# Altium PCB ALCT_MEZ_SPARTAN6T.PcbDoc (part 2 of 12) (continued)
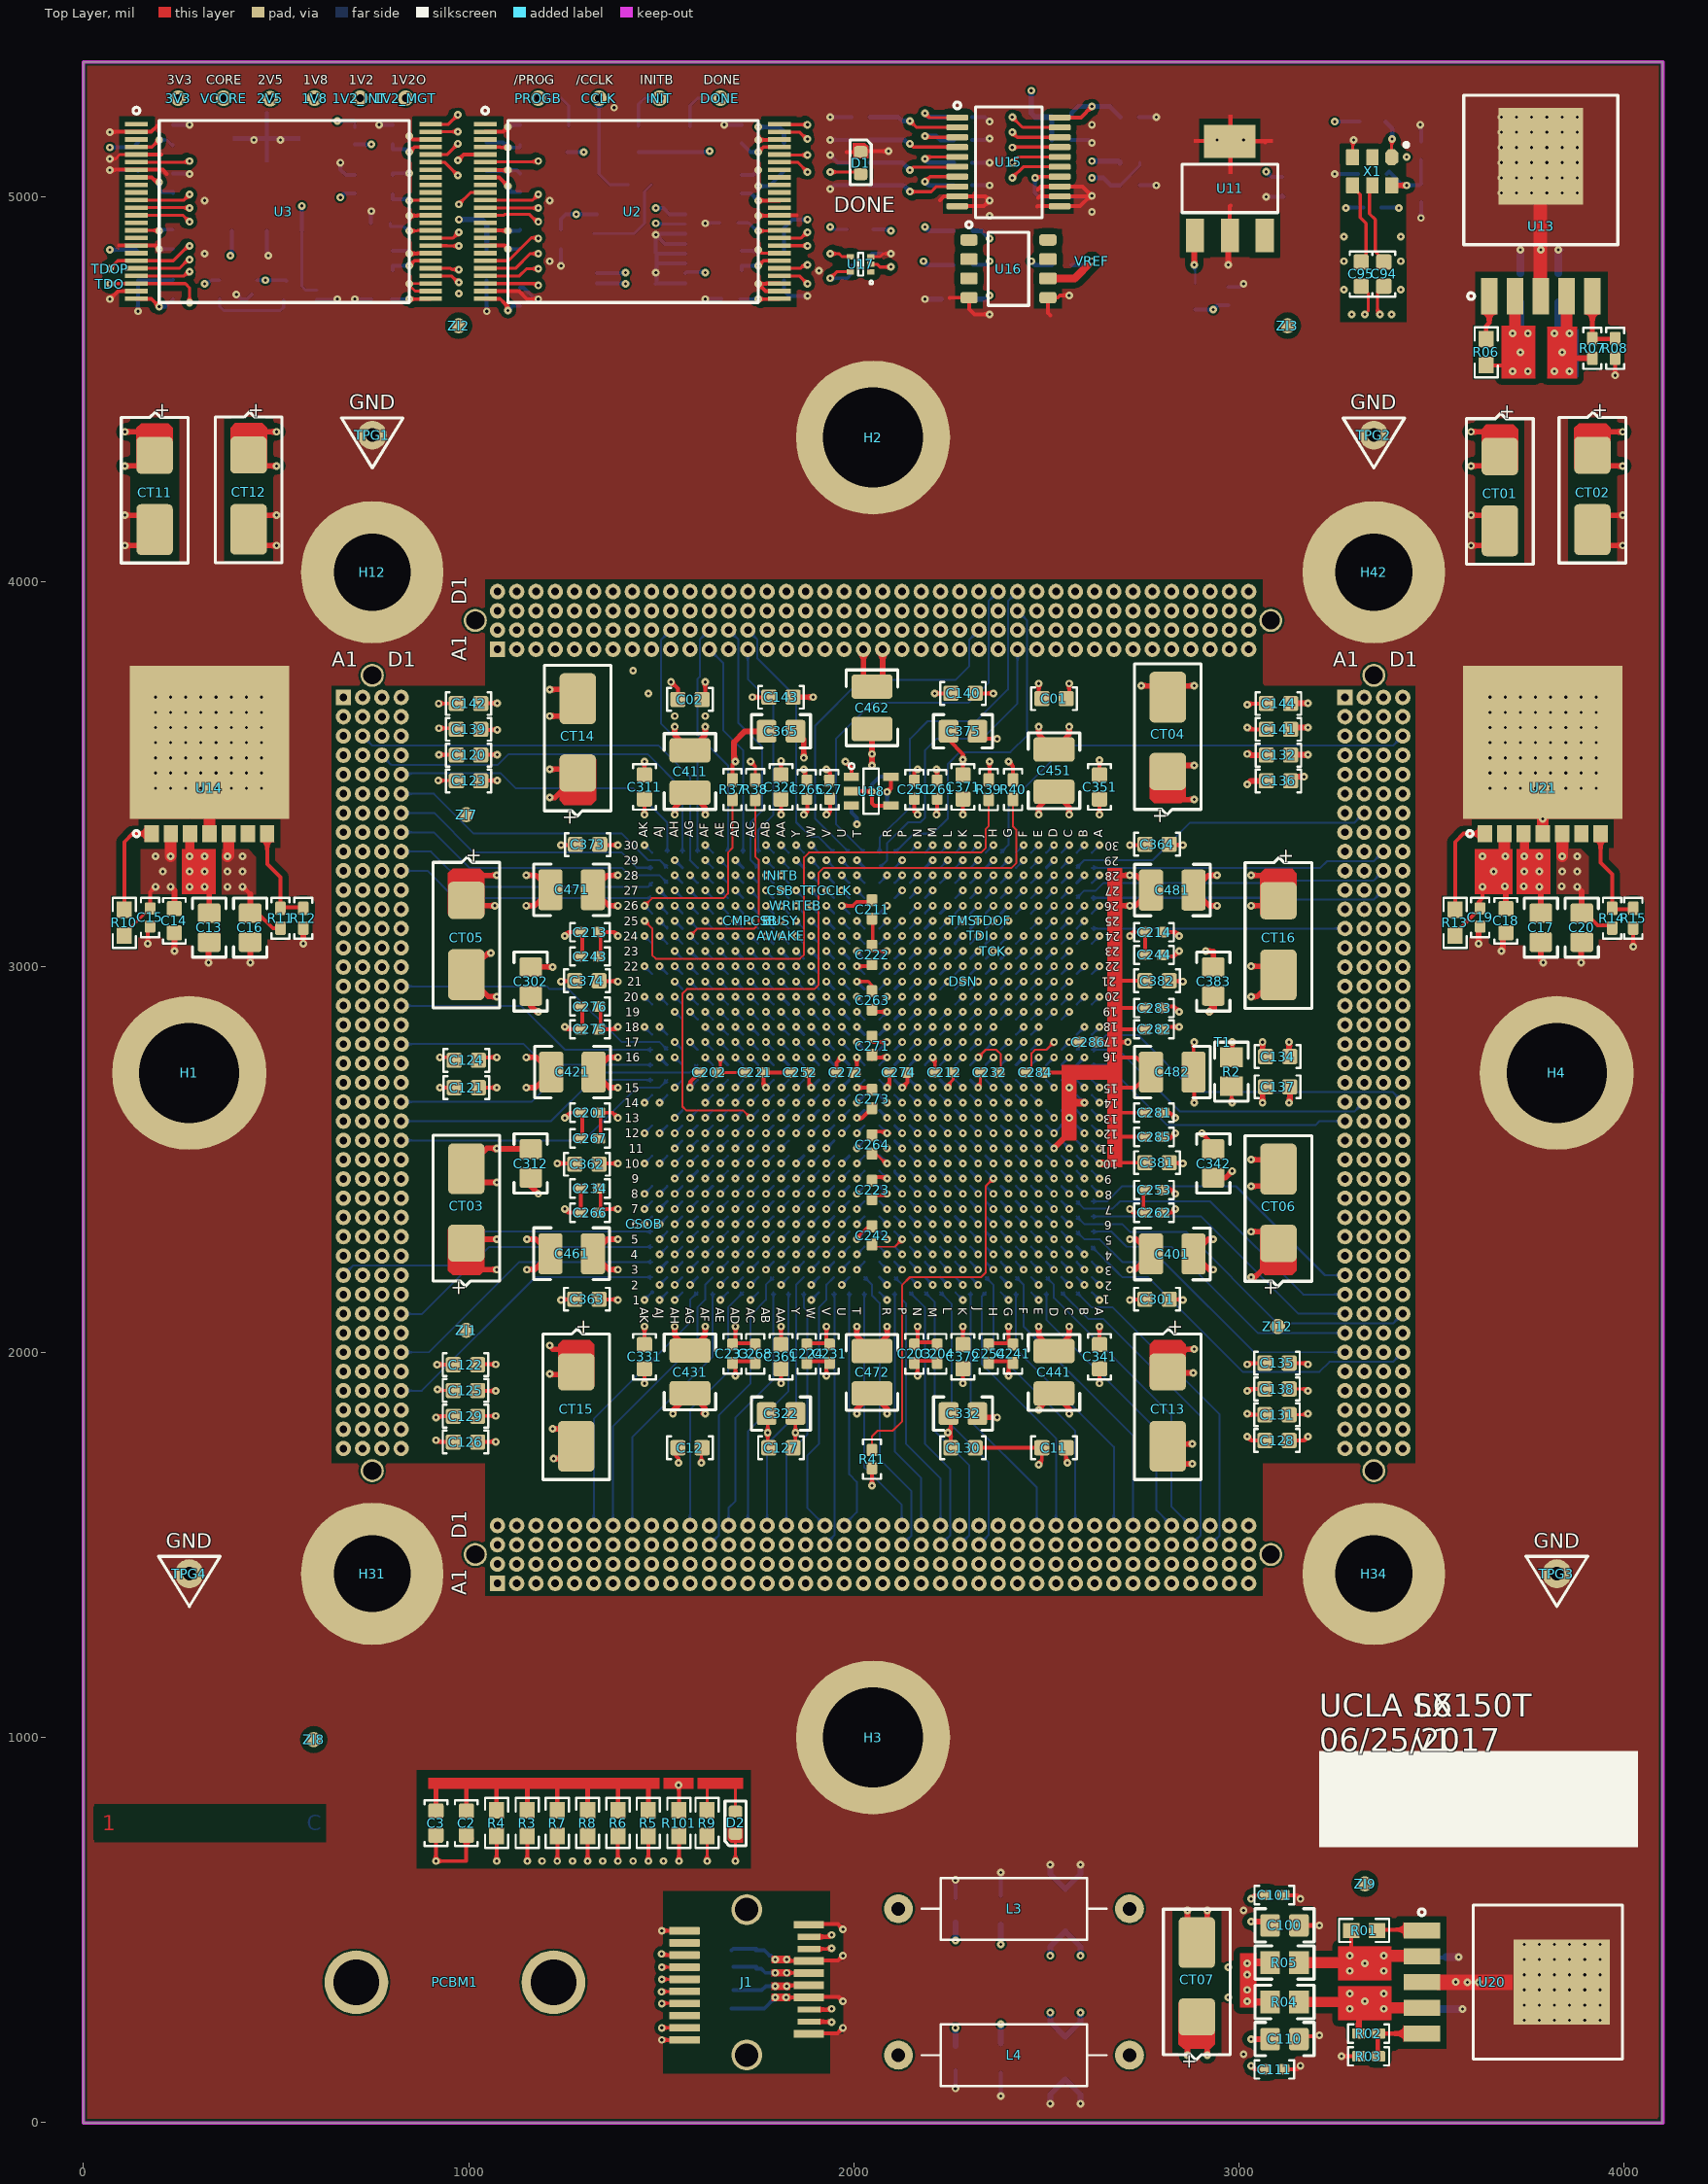
[diagram p0: Top Layer view]
## Part data (continued)
XP1: Manufacturer=SAMTEC, Manufacturer Part Number=MOLC-140-01-L-Q-LC, Package=XP1, Supplier Part Number 1=2732055, COMPGROUP=0, ComponentLink1Description=http://www.farnell.com/cad/2261282.pdf, ComponentLink1URL=http://www.farnell.com/cad/2261282.pdf, ComponentLink2Description=http://www.farnell.com/datasheets/2261038.pdf, ComponentLink2URL=http://www.farnell.com/datasheets/2261038.pdf, COMPROT=180, COMPSIDE=TOP, Contact Material="Phosphor Bronze", Contact Plating="Gold Plated Contacts", Contact Termination Type="Through Hole", Gender=Header, mfgr=Samtec, mfgr_foot=40x4, mfgr_id=MOLC-140-01-S-Q-LC, No. of Contacts=160, No. of Rows=4, Pitch Spacing=1.27, Pricing 1="1=18.16, 3=17.11, 5=16.18, 10=15.35, 15=14.96, 25=14.34 (GBP)", Product Range="MOLC Series", RoHS=YES, Stock 1=0, Supplier 1=Farnell, SVHC="No SVHC (12-Jan-2017"
XP2: Manufacturer=SAMTEC, Manufacturer Part Number=MOLC-140-01-L-Q-LC, Package=XP2, Supplier Part Number 1=2732055, COMPGROUP=0, ComponentLink1Description=http://www.farnell.com/cad/2261282.pdf, ComponentLink1URL=http://www.farnell.com/cad/2261282.pdf, ComponentLink2Description=http://www.farnell.com/datasheets/2261038.pdf, ComponentLink2URL=http://www.farnell.com/datasheets/2261038.pdf, COMPROT=270, COMPSIDE=TOP, Contact Material="Phosphor Bronze", Contact Plating="Gold Plated Contacts", Contact Termination Type="Through Hole", Gender=Header, mfgr=Samtec, mfgr_foot=40x4, mfgr_id=MOLC-140-01-S-Q-LC, No. of Contacts=160, No. of Rows=4, Pitch Spacing=1.27, Pricing 1="1=18.16, 3=17.11, 5=16.18, 10=15.35, 15=14.96, 25=14.34 (GBP)", Product Range="MOLC Series", RoHS=YES, Stock 1=0, Supplier 1=Farnell, SVHC="No SVHC (12-Jan-2017"
XP3: Manufacturer=SAMTEC, Manufacturer Part Number=MOLC-140-01-L-Q-LC, Package=XP3, Supplier Part Number 1=2732055, COMPGROUP=0, ComponentLink1Description=http://www.farnell.com/cad/2261282.pdf, ComponentLink1URL=http://www.farnell.com/cad/2261282.pdf, ComponentLink2Description=http://www.farnell.com/datasheets/2261038.pdf, ComponentLink2URL=http://www.farnell.com/datasheets/2261038.pdf, COMPROT=270, COMPSIDE=TOP, Contact Material="Phosphor Bronze", Contact Plating="Gold Plated Contacts", Contact Termination Type="Through Hole", Gender=Header, mfgr=Samtec, mfgr_foot=40x4, mfgr_id=MOLC-140-01-S-Q-LC, No. of Contacts=160, No. of Rows=4, Pitch Spacing=1.27, Pricing 1="1=18.16, 3=17.11, 5=16.18, 10=15.35, 15=14.96, 25=14.34 (GBP)", Product Range="MOLC Series", RoHS=YES, Stock 1=0, Supplier 1=Farnell, SVHC="No SVHC (12-Jan-2017"
XP4: Manufacturer=SAMTEC, Manufacturer Part Number=MOLC-140-01-L-Q-LC, Package=XP4, Supplier Part Number 1=2732055, COMPGROUP=0, ComponentLink1Description=http://www.farnell.com/cad/2261282.pdf, ComponentLink1URL=http://www.farnell.com/cad/2261282.pdf, ComponentLink2Description=http://www.farnell.com/datasheets/2261038.pdf, ComponentLink2URL=http://www.farnell.com/datasheets/2261038.pdf, COMPROT=180, COMPSIDE=TOP, Contact Material="Phosphor Bronze", Contact Plating="Gold Plated Contacts", Contact Termination Type="Through Hole", Gender=Header, mfgr=Samtec, mfgr_foot=40x4, mfgr_id=MOLC-140-01-S-Q-LC, No. of Contacts=160, No. of Rows=4, Pitch Spacing=1.27, Pricing 1="1=18.16, 3=17.11, 5=16.18, 10=15.35, 15=14.96, 25=14.34 (GBP)", Product Range="MOLC Series", RoHS=YES, Stock 1=0, Supplier 1=Farnell, SVHC="No SVHC (12-Jan-2017"
ZI1 ZI2 ZI3 ZI4 ZI5 ZI6 ZI7 ZI8 ZI9 ZI10 ZI11 ZI12: library part Fiducial_dot, Package=90, COMPGROUP=0, COMPROT=0, COMPSIDE=TOP, mfgr=Layout, mfgr_foot=FID, mfgr_id=FID
H12 H31 H34 H42: COMPGROUP=0, COMPROT=0, COMPSIDE=TOP, mfgr=McMaster, mfgr_foot="6-32 ButtonSkt", mfgr_id=92949A146

## Via types
v1: diameter 20, hole 8, Top Layer to Bottom Layer, tented both sides, 1562 vias
v2: diameter 40, hole 20, Top Layer to Bottom Layer, 6 vias
v3: diameter 40, hole 20, Top Layer to Bottom Layer, tented both sides, 4 vias

## Nets (pads, with @x,y where several pads share a name; then routed paths per layer and width w, separated by ;. In a path a pad name is that pad's centre, name@x,y a point inside that pad or via, vN(x,y) a via of type N, cw(c..) or ccw(c..) an arc to the next point about the centre after c; other vN are vias at no path point)
+1.2V: 1V2_INT.1 C16.1 C25.1 C271.1 C272.1 C273.1 C274.1 C275.1 C276.1 C371.1 C372.1 C373.1 C374.1 C375.1 C471.1 C472.1 R4.2 R11.1 U1.N11 U1.N12 U1.N15 U1.N16 U1.N19 U1.N20 U1.P11 U1.P12 U1.P15 U1.P16 U1.P19 U1.R13 U1.R14 U1.R17 U1.R18 U1.T13 U1.T14 U1.T17 U1.T18 U1.U12 U1.U15 U1.U16 U1.U19 U1.U20 U1.V11 U1.V12 U1.V15 U1.V16 U1.V19 U1.V20 U14.5 U15.5 | length 2134.8
  Top Layer w8: v1(2185.04,5098.43) 2189.96,5103.35 U15.5@2268.7,5103.35
  Top Layer w10: v1(413.39,3208.66) 433.07,3188.98 ; C16.1@433.07,3139.76 452.76,3139.76 492.13,3100.39 R11.1@511.81,3100.39 ; v1(1072.83,678.98) R4.2@1072.83,734.09 ; C373.1@1340.55,3318.11 1341.73,3316.93 v1(1387.8,3316.93) ; C276.1@1342.52,2897.64 1342.52,2838.58 1381.89,2838.58 v1(1387.8,2844.49) ; C374.1@1342.52,2963.78 1386.61,2963.78 v1(1387.8,2962.6) ; C272.1@1954.72,2726.38 1954.72,2751.96 v1@1964.97,2762.21 ; v1@1968.51,2762.21 v1(1968.51,2765.75) ; v1(2007.88,2608.26) 2021.65,2608.26 C273.1@2047.24,2633.86 ; C271.1@2047.24,2809.06 2051.19,2805.11 v1(2086.63,2805.11) ; v1(2125.99,2686.99) 2139.76,2700.76 C274.1@2139.76,2726.38 ; C372.1@2283.46,2021.87 v1(2283.46,2066.93) ; v1(2283.46,3395.67) C371.1@2283.46,3436.22 ; C375.1@2320.87,3612.2 2340.55,3592.52 v1(2372.05,3592.52)
  Top Layer w14: v1(1387.8,3159.45) 1364.17,3159.45 C471.1@1322.83,3200.79 1360.24,3238.19 v1(1387.8,3238.19) ; v1(2007.87,2066.93) 2007.87,2042.52 C472.1@2047.24,2003.15 2086.61,2042.52 v1(2086.61,2066.93)
  Top Layer w15: C16.1@433.07,3139.76 433.07,3188.98
  Top Layer w30: v1(374.02,3287.4) 377.17,3290.55 U14.5@377.17,3346.46
  Bottom Layer w8: v1(1929.14,2529.53) U1.V11@1948.82,2549.21 ; v1(1929.14,2568.89) U1.V12@1948.82,2588.58 ; v1(1929.14,2686.99) U1.V15@1948.82,2706.69 ; v1(1929.14,2765.75) U1.V16@1948.82,2746.06 ; v1(1929.15,2883.84) U1.V19@1948.82,2864.17 ; v1(1929.15,2923.19) U1.V20@1948.83,2903.51 ; v1(1968.51,2568.89) U1.U12@1988.19,2588.58 ; v1(1968.51,2686.99) U1.U15@1988.19,2706.69 ; v1(1968.51,2765.75) U1.U16@1988.19,2746.06 ; v1(1968.52,2883.84) U1.U19@1988.19,2864.17 ; v1(1968.52,2923.19) U1.U20@1988.19,2903.51 ; v1(2007.88,2608.26) U1.T13@2027.56,2627.95 ; v1(2007.88,2647.63) U1.T14@2027.56,2667.31 ; v1(2007.88,2805.11) U1.T17@2027.56,2785.43 ; v1(2007.88,2844.48) U1.T18@2027.56,2824.8 ; U1.R13@2066.93,2627.95 v1(2086.63,2608.26) ; U1.R14@2066.94,2667.31 v1(2086.63,2647.63) ; U1.R17@2066.93,2785.43 v1(2086.63,2805.11) ; U1.R18@2066.93,2824.8 v1(2086.63,2844.48) ; U1.P11@2106.3,2549.21 v1(2125.99,2529.53) ; U1.P12@2106.3,2588.58 v1(2125.99,2568.89) ; U1.P15@2106.3,2706.69 v1(2125.99,2686.99) ; U1.P16@2106.3,2746.06 v1(2125.99,2765.75) ; U1.P19@2106.3,2864.17 v1(2125.99,2883.84) ; U1.N11@2145.68,2549.21 v1(2165.36,2529.53) ; U1.N12@2145.68,2588.58 v1(2165.36,2568.89) ; U1.N15@2145.68,2706.68 v1(2165.36,2686.99) ; U1.N16@2145.68,2746.06 v1(2165.36,2765.75) ; U1.N19@2145.68,2864.16 v1(2165.35,2883.84) ; U1.N20@2145.68,2903.51 v1(2165.35,2923.19)
  Bottom Layer w12: v1(2185.04,5098.43) 2194.88,5088.58 C25.1@2259.84,5088.58
  other v1: 374.02,3208.66 374.02,3248.03 413.39,3248.03 413.39,3287.4
  other v2: 718.5,5255.91
+1.2V_MGT: 1V2_MGT.1 C20.1 C26.1 C281.1 C282.1 C283.1 C284.1 C285.1 C286.1 C381.1 C382.1 C383.1 C481.1 C482.1 R14.1 T1.2 U1.A10 U1.B14 U1.C13 U1.C15 U1.D11 U15.6 U21.5 | length 2463.6
  Top Layer w8: v1(2145.67,5068.9) 2153.2,5076.43 U15.6@2267.37,5076.43 ; U15.6@2267.37,5076.43 2268.7,5076.43 U15.6@2268.7,5077.76 U15.6@2267.37,5076.43
  Top Layer w10: C284.1@2494.09,2726.38 2568.9,2726.38 ; C286.1@2641.73,2805.12 2669.29,2805.12 ; 2672.24,2490.16 2674.21,2492.13 C381.1@2755.91,2492.13 ; 2676.18,2622.05 C281.1@2755.91,2622.05 ; 2677.17,2559.06 C285.1@2751.97,2559.06 ; 2677.17,2726.38 2677.17,2755.91 2687.01,2765.75 2733.46,2765.75 C482.1@2771.65,2727.56 2731.1,2687.01 2687.01,2687.01 ; 2677.17,2844.49 2683.07,2838.58 C282.1@2755.91,2838.58 ; 2677.17,2962.6 2679.13,2964.57 C382.1@2755.91,2964.57 ; 2682.09,2800.2 2687.01,2805.12 v1(2711.61,2805.12) ; 2682.09,2893.7 C283.1@2755.91,2893.7 ; v1(3877.95,3208.66) 3889.76,3196.85 ; C20.1@3891.73,3137.8 C20.1@3891.73,3139.76 ; C20.1@3906.69,3133.07 3931.5,3108.27 R14.1@3970.47,3108.27
  Top Layer w14: 2677.17,3159.45 v1(2716.54,3159.45) 2731.1,3159.45 C481.1@2771.65,3200 2733.46,3238.19 v1(2716.54,3238.19) 2687.01,3238.19
  Top Layer w15: C383.1@2932.35,2924.48 C383.1@2933.07,2925.2 ; C20.1@3889.76,3139.76 3889.76,3196.85
  Top Layer w16: v1(2519.69,2529.53) 2559.06,2568.89
  Top Layer w20: 2559.06,2568.89 v1(2559.06,2608.26) 2559.06,2647.63 ; v1(2598.43,2647.64) 2559.07,2647.64 ; v1(2637.78,2490.16) 2672.24,2490.16 ; 2677.17,2726.38 2568.9,2726.38 2559.06,2716.54 v1(2559.06,2686.99) 2559.06,2647.63 ; v1(2923.23,2883.86) 2933.07,2893.7 C383.1@2933.07,2925.2
  Top Layer w29.53: 3840.95,3311.42 U21.5@3840.95,3346.46
  Top Layer w30: v1(3838.58,3287.4) U21.5@3838.58,3346.46
  Mid-Layer 7 w20: v1(2711.61,2805.12) 2741.14,2775.59 2903.54,2775.59 2903.54,2776.38 T1.2@2932.28,2805.12 2932.28,2874.8 v1(2923.23,2883.86)
  Bottom Layer w6: U1.D11@2500,2549.21 v1(2519.69,2529.53) v1@2519.88,2529.34 ; U1.C13@2539.38,2627.94 v1(2559.06,2608.26) ; U1.C15@2539.38,2706.68 v1(2559.06,2686.99) ; U1.B14@2578.74,2667.29 v1(2598.43,2647.64) ; U1.A10@2618.11,2509.84 v1(2637.78,2490.16)
  Bottom Layer w12: C26.1@2041.34,5088.58 2125.98,5088.58 v1(2145.67,5068.9)
  other v1: 3837.8,3209.84 3838.58,3248.03 3877.95,3248.03 3877.95,3287.4
  other v2: 836.61,5255.91
+1.5V: C2.2 C3.1 R3.2 R4.1 R5.1 R6.1 R7.1 R8.1 | length 518.6
  Top Layer w12: C3.1@915.35,809.06 915.35,875.98 ; C2.2@994.09,809.06 994.09,875.98 ; R4.1@1072.83,811.02 1072.83,875.98 ; R3.2@1152.36,811.02 1152.36,875.2 ; R7.1@1230.32,811.02 1230.32,875.98 ; R8.1@1309.06,811.02 1309.06,875.98 ; R6.1@1387.8,811.02 1387.8,875.98 ; R5.1@1458.66,811.02 R5.1@1462.6,807.09 ; R5.1@1466.54,811.02 1466.54,866.14
+1.8V: 1V8.1 C1.1 C24.1 C46.1 C47.1 C48.1 C49.1 C66.1 C67.1 C68.1 C69.1 R07.1 U2.4 U2.15 U2.34 U3.4 U3.15 U3.34 U13.4 U15.4 | length 1274.7
  Top Layer w8: U3.15@137.8,4912.6 195.67,4912.6 v1(196.85,4911.42) ; U3.4@137.8,5129.13 178.35,5129.13 v1(196.85,5147.64) ; v1(846.46,4911.42) 866.14,4911.42 867.32,4912.6 U3.34@901.57,4912.6 ; U2.15@1043.31,4911.42 1074.8,4911.42 ; U2.4@1043.31,5129.13 1082.68,5129.13 1083.86,5127.95 v1(1102.36,5127.95) ; v1@1748.04,4911.42 U2.34@1807.07,4911.42 ; v1(2145.67,5137.8) 2154.53,5128.94 U15.4@2268.7,5128.94
  Top Layer w10: U2.15@1043.31,4912.6 1101.18,4912.6 v1(1102.36,4911.42) ; 3850.39,4653.18 3850.76,4653.18
  Top Layer w11.81: 3901.57,4579.53 R07.1@3917.32,4579.53
  Top Layer w15: 3872.05,4580.71 R07.1@3917.32,4580.71
  Top Layer w29.53: 3850.39,4653.18 U13.4@3850.39,4742.01 U13.4@3850.39,4742.91
  Bottom Layer w8: v1(196.85,4911.42) 200,4914.57 C48.1@232.28,4914.57 ; v1(196.85,5147.64) 216.54,5147.64 232.28,5131.89 C46.1@232.28,5135.83 ; C47.1@797.24,4931.1 797.24,4923.23 830.71,4923.23 v1@842.52,4911.42 ; v1@1098.43,5127.95 1133.86,5127.95 C66.1@1133.86,5135.83 ; C67.1@1698.82,4932.28 1727.17,4932.28 v1@1748.03,4911.42
  Bottom Layer w10: v1(68.9,5127.95) 128.74,5127.95 C69.1@141.73,5140.94 ; C49.1@1047.24,5140.94 1089.37,5140.94 1092.52,5137.8 1098.43,5137.8 ; v1(1102.36,4911.42) 1130.71,4911.42 C68.1@1133.86,4914.57 ; v1@2145.67,5132.95 v1(2145.67,5137.8) ; v1(3818.9,4645.67) 3828.74,4655.51
  Bottom Layer w12: C24.1@2041.34,5147.64 2130.98,5147.64 2143.25,5135.37 v1@2145.67,5132.95
  Bottom Layer w20: 3828.74,4655.51 C1.1@3828.74,4726.38
  other v1: 3818.9,4547.24 3858.27,4547.24 3838.58,4596.46 3858.27,4645.67 1751.97,4911.42
  other v2: 600.39,5255.91
+2.5V_SFP: 2V5.1 C04.1 R02.1 R04.2 R22.1 U20.4 | length 473.9
  Top Layer w11.81: 3287.4,278.35 v1(3287.4,295.28) ; R02.1@3309.05,231.1 3309.05,256.69
  Top Layer w15: R02.1@3311.02,231.1 3311.02,279.53
  Top Layer w27.56: R04.2@3155.51,312.99 3265.75,312.99 v1(3287.4,334.65)
  Top Layer w29.53: v1(3375.98,295.28) 3378.74,298.04 U20.4@3472.44,298.04
  Bottom Layer w10: v1(3375.98,295.28) v1@3378.74,298.03
  Bottom Layer w15: v1(2618.11,5092.52) 2687.01,5092.52 R22.1@2690.94,5088.58
  Bottom Layer w20: v1@3378.74,298.03 C04.1@3444.88,298.03
  other v1: 3326.77,314.96 3375.98,334.65
  other v2: 485,5255
+2.5V_SFP/2: C22.1 R22.2 R23.1 U15.2 | length 1068.7
  Top Layer w8: v1(2145.67,5196.85) 2162.04,5180.48 2268.7,5180.48 U15.2@2268.7,5180.12
  Mid-Layer 5 w15: 2421.26,5239.13 2497.09,5239.13 2509.84,5226.38 2509.84,5068.9 2529.53,5049.21 v1(2618.11,5049.21)
  Mid-Layer 5 w15.75: v1(2145.67,5196.85) 2163.18,5196.85 2172.87,5187.16 2200.94,5187.16 2252.91,5239.13 2421.26,5239.13
  Bottom Layer w8: R23.1@2690.94,5029.53 2742.13,5080.71 R22.2@2742.13,5088.58
  Bottom Layer w12: C22.1@2041.34,5206.69 2116.14,5206.69 2125.98,5196.85 v1(2145.67,5196.85) ; v1(2618.11,5049.21) 2647.64,5049.21 2667.32,5029.53 R23.1@2690.94,5029.53
+3.3V: 3V3.1 C01.1 C02.1 C03.1 C05.1 C14.1 C15.1 C18.1 C19.1 C27.1 C28.1 C33.1 C34.1 C41.1 C42.1 C43.1 C44.1 C45.1 C50.1 C51.1 C61.1 C62.1 C63.1 C64.1 C65.1 C70.1 C71.1 C80.1 C81.1 C82.1 C83.1 C84.1 C90.1 C91.1 C92.1 C93.1 C120.1 C121.1 C122.1 C126.1 C127.1 C128.1 C132.1 C134.1 C135.1 C139.1 C140.1 C141.1 C201.1 C202.1 C203.1 C204.1 C211.1 C212.1 C213.1 C214.1 C221.1 C222.1 C223.1 C224.1 C231.1 C232.1 C233.1 C234.1 C241.1 C242.1 C243.1 C244.1 C251.1 C252.1 C253.1 C254.1 C261.1 C262.1 C263.1 C264.1 C265.1 C266.1 C267.1 C268.1 C301.1 C302.1 C311.1 C312.1 C321.1 C322.1 C331.1 C332.1 C341.1 C342.1 C351.1 C361.1 C362.1 C363.1 C364.1 C365.1 C401.1 C411.1 C421.1 C431.1 C441.1 C451.1 C461.1 C462.1 CT01.1 CT02.1 CT03.1 CT04.1 CT05.1 CT06.1 R1.1 R01.1 R05.1 R06.1 R9.1 R10.1 R13.1 R20.1 R26.1 R30.1 R32.1 R33.1 R34.1 R38.2 R44.1 U1.AA8 U1.AA12 U1.AA16 U1.AA20 U1.AA23 U1.AB24 U1.AC2 U1.AC7 U1.AC10 U1.AC18 U1.AC26 U1.AD5 U1.AD13 U1.AD21 U1.AD23 U1.AD29 U1.AE16 U1.AF8 U1.AG2 U1.AG9 U1.AG23 U1.AH25 U1.AH29 U1.AJ3 U1.AJ7 U1.AJ16 U1.AJ27 U1.B4 U1.B16 U1.B28 U1.C2 U1.C7 U1.C25 U1.D9 U1.D23 U1.D29 U1.F16 U1.G2 U1.G6 U1.G8 U1.G13 U1.G23 U1.G26 U1.H5 U1.H10 U1.H20 U1.H24 U1.H29 U1.J7 U1.J9 U1.J15 U1.J17 U1.J23 U1.J25 U1.K6 U1.K13 U1.K24 U1.L2 U1.L9 U1.L15 U1.L22 U1.L26 U1.M5 U1.M8 U1.M11 U1.M14 U1.M17 U1.M21 U1.M25 U1.M29 U1.N6 U1.N23 U1.P9 U1.P21 U1.R2 U1.R8 U1.R10 U1.R23 U1.R26 U1.T5 U1.T21 U1.T29 U1.U8 U1.U10 U1.U23 U1.V6 U1.V21 U1.V25 U1.W2 U1.W13 U1.W15 U1.W17 U1.W23 U1.W26 U1.Y5 U1.Y10 U1.Y18 U1.Y29 U2.8 U2.24 U2.30 U2.38 U2.45 U3.8 U3.24 U3.30 U3.38 U3.45 U4.1 U4.7 U4.9 U4.10 U4.16 U5.3 U6.5 U13.2 U14.2 U15.20 U17.5 U18.2 U18.4 U19.2 U19.4 U20.2 U21.2 X1.6 XP1.A2 XP1.A39 XP1.B2 XP1.B39 XP1.C21 XP2.B21 XP2.C2 XP2.C39 XP2.D2 XP2.D39 XP3.A2 XP3.A39 XP3.B2 XP3.B39 XP3.C21 XP4.B21 XP4.C2 XP4.C39 XP4.D2 XP4.D39 | length 12998
  Top Layer w8: R10.1@106.3,3081.71 106.3,3085.65 C15.1@173.23,3152.57 ; v1(846.46,4820.87) 859.45,4833.86 U3.30@901.57,4833.86 ; v1(846.46,4990.16) 856.3,4990.16 857.48,4991.34 U3.38@901.57,4991.34 ; v1(1619.09,678.98) R9.1@1619.09,734.09 ; C202.1@1647.64,2726.38 1653.56,2732.3 v1(1653.56,2765.75) ; C202.1@1657.48,2726.38 C221.1@1718.5,2726.38 C221.1@1728.35,2726.38 ; v1(1732.28,3533.46) 1744.09,3521.65 R38.2@1744.09,3486.22 ; v1(1751.97,4820.87) 1764.96,4833.86 U2.30@1807.09,4833.86 ; v1(1751.97,5116.14) 1764.96,5129.13 U2.45@1807.09,5129.13 ; C127.1@1842.52,1751.97 1848.43,1757.87 v1(1848.43,1791.34) C322.1@1848.43,1840.55 ; C252.1@1883.86,2726.38 1883.86,2692.91 v1@1886.24,2690.53 ; v1(1938.98,4788.39) 1955.71,4805.12 U17.5@1991.14,4805.12 ; v1(2007.87,2293.31) 2007.87,2297.24 C242.1@2047.24,2336.61 ; v1(2007.88,2962.6) 2037.4,2962.6 2047.24,2952.76 C263.1@2047.24,2937.01 C263.1@2047.24,2927.17 ; C223.1@2047.24,2407.48 2082.68,2407.48 v1(2086.61,2411.42) v1@2091.34,2411.42 ; C264.1@2047.24,2525.59 2082.69,2490.14 v1(2086.63,2490.14) ; C211.1@2049.21,3116.14 2049.21,3047.24 2047.24,3045.28 2051.19,3041.33 v1(2086.63,3041.33) ; v1@2240.56,2690.53 2257.87,2707.84 C212.1@2257.87,2726.38 ; v1(2322.84,2686.99) 2318.9,2690.94 2328.74,2700.78 C232.1@2328.74,2726.38
  Top Layer w10: U3.24@137.8,4735.43 175.98,4735.43 v1(196.85,4714.57) ; U3.8@137.8,5050.39 177.17,5050.39 190.16,5037.4 v1(196.85,5037.4) ; C15.1@173.23,3152.57 173.23,3194.88 v1(187.01,3208.66) v1@194.88,3208.66 ; v1(226.38,3208.66) 236.22,3198.82 ; U14.2@226.38,3346.46 226.38,3355.51 U14.2@227.17,3356.3 ; v1(846.46,5116.14) 859.45,5129.13 U3.45@901.57,5129.13 ; v1(918.5,1967.72) C122.1@960.63,1967.72 ; v1(923.23,3551.18) 967.72,3551.18 C120.1@968.5,3550.39 ; v1(923.23,3620.08) 965.75,3620.08 C139.1@968.5,3617.32 ; v1(925.2,2687.01) C121.1@962.6,2687.01 967.72,2687.01 C121.1@968.5,2687.8 ; C126.1@1023.62,1766.93 1024.41,1767.72 v1(1070.87,1767.72) ; U2.24@1043.31,4735.43 1081.33,4735.43 1093.66,4723.09 1093.83,4723.09 1102.36,4714.57 v1(1102.36,4704.72) ; U2.8@1043.31,5050.39 1079.53,5050.39 v1(1102.36,5027.56) ; C362.1@1338.58,2487.4 1341.34,2490.16 v1(1387.8,2490.16) ; C363.1@1342.52,2137.01 1386.61,2137.01 v1(1387.8,2135.83) ; C234.1@1342.52,2425.2 1342.52,2372.05 v1(1387.8,2372.05) ; C267.1@1342.52,2555.12 1342.52,2622.05 1374.02,2622.05 v1(1387.8,2608.27) ; C243.1@1342.52,3027.56 1342.52,3090.55 1377.95,3090.55 v1(1387.8,3080.71) ; C331.1@1456.69,2021.87 v1(1456.69,2066.93) ; v1(1456.69,3395.67) C311.1@1456.69,3436.22 ; C02.1@1606.3,3694.88 1614.17,3702.76 v1(1614.17,3740.16) ; v1(1692.91,2066.93) 1692.91,2023.62 C268.1@1748.03,2023.62 ; v1@1748.03,4990.16 U2.38@1807.07,4990.16 ; v1@1748.03,5116.14 v1(1751.97,5116.14) v1@1755.91,5116.14 ; C361.1@1811.02,2021.87 v1(1811.02,2066.93) ; v1(1811.02,3395.67) C321.1@1811.02,3436.22 ; v1(1870.08,3395.67) 1879.92,3405.51 1879.92,3423.23 C265.1@1874.02,3429.13 ; C224.1@1874.02,2023.62 1929.13,2023.62 v1(1929.13,2066.93) ; v1(1929.13,3395.67) 1938.98,3405.51 1938.98,3421.47 C27.1@1929.34,3431.1 ; U18.2@1994.09,3456.69 2045.28,3456.69 v1(2047.24,3454.72) 2047.24,3425.2 2053.15,3419.29 U18.4@2096.46,3419.29 ; C251.1@2157.48,3437.01 2157.48,3403.54 v1(2165.35,3395.67) ; v1(2165.35,2066.93) 2165.35,2025.59 2218.5,2025.59 C204.1@2220.47,2027.56 ; v1(2214.57,3395.67) 2216.54,3397.64 C261.1@2216.54,3437.01 ; C140.1@2312.99,3710.63 C140.1@2314.96,3710.63 v1(2362.2,3710.63) ; C254.1@2350.39,2023.62 2401.57,2023.62 v1(2401.57,2066.93) ; v1(2480.32,3736.22) 2480.32,3704.72 C01.1@2488.19,3696.85 ; U15.20@2534.45,5205.71 2589.57,5205.71 v1(2618.11,5234.25) ; C341.1@2637.8,2021.87 v1(2637.8,2066.93) ; v1(2637.8,3395.67) C351.1@2637.8,3436.22 ; v1(2716.54,2135.83) 2717.72,2137.01 C301.1@2752.94,2137.01 ; v1(2716.54,3080.71) 2726.38,3090.55 C214.1@2755.91,3090.55 C244.1@2755.91,3031.5 C244.1@2755.91,3027.56 ; v1(2716.55,3316.92) 2751.74,3316.92 C364.1@2752.94,3318.11 ; v1@2718.5,2374.02 v1(2716.54,2372.05) 2726.38,2362.2 2751.97,2362.2 C253.1@2751.97,2421.26 ; v1(3021.65,1781.5) 3032.28,1770.87 C128.1@3066.93,1770.87 ; C135.1@3129.92,1971.65 3175.98,1971.65 v1(3179.13,1968.5) ; v1(3287.4,433.07) 3291.34,437.01 R01.1@3291.34,506.69 ; 3413.37,433.87 U20.2@3472.44,433.87 ; R13.1@3561.02,3081.71 3561.02,3087.61 3623.02,3149.61 3623.02,3150.61 3622.05,3151.57 3622.05,3169.29 3625.98,3173.23 ; C19.1@3625.98,3152.57 3625.98,3173.23 ; v1(3631.89,3208.66) 3631.89,3179.13 3625.98,3173.23 ; v1(3631.89,3287.4) 3631.89,3294.88 3634.25,3297.24 ; R06.1@3641.73,4561.81 3714.57,4561.81 3729.13,4547.24 v1(3750,4547.24) ; CT01.1@3652.76,4301.18 CT01.1@3677.17,4325.59 ; v1(3690.16,3209.84) v1@3692.91,3207.09 ; CT02.1@3917.32,4328.74 CT02.1@3944.88,4301.18
  Top Layer w14: CT03.1@996.06,2282.68 1006.69,2293.31 v1(1072.83,2293.31) ; 1008.86,3233.27 1013.78,3238.19 v1(1072.83,3238.19) ; 1013.78,2219.49 1008.86,2214.57 v1(1072.83,2214.57) ; CT05.1@1021.16,3159.45 v1(1067.91,3159.45) ; v1(1387.8,2214.57) 1364.17,2214.57 C461.1@1322.83,2255.91 1360.24,2293.31 v1(1387.8,2293.31) ; v1(1387.8,2687.01) 1365.35,2687.01 C421.1@1324.8,2727.56 1362.99,2765.75 v1(1387.8,2765.75) ; v1(1535.43,2066.93) 1535.43,2043.31 C431.1@1574.8,2003.94 1614.17,2043.31 v1(1614.17,2066.93) ; v1(1535.43,3395.67) 1535.43,3413.39 C411.1@1574.8,3452.76 1614.17,3413.39 v1(1614.17,3395.67) ; C411.1@1573.71,3453.85 1574.8,3454.94 C411.1@1575.89,3453.85 ; C431.1@1574.41,2003.54 1574.8,2003.15 C431.1@1575.2,2003.54 ; C365.1@1848.43,3612.2 1870.08,3590.55 v1(1870.08,3543.31) ; v1(2047.24,3523.62) v1(2047.24,3553.15) C462.1@2047.24,3618.11 ; C332.1@2320.87,1840.55 2325.79,1835.63 2330.71,1830.71 v1(2372.05,1830.71) ; v1(2480.32,2066.93) 2480.32,2042.52 C441.1@2519.69,2003.15 2559.06,2042.52 v1(2559.06,2066.93) ; v1(2480.32,3395.67) 2480.32,3415.57 C451.1@2519.69,3454.94 2559.06,3415.57 v1(2559.06,3395.67) ; v1(2716.54,2214.57) 2731.1,2214.57 C401.1@2771.65,2255.12 2733.46,2293.31 v1(2716.54,2293.31) ; CT04.1@2811.02,3499.21 2835.43,3523.62 v1(2883.86,3523.62) ; 2829.72,3435.04 v1(2883.86,3435.04) ; C342.1@2933.07,2452.76 2964.57,2452.76 v1(2982.28,2470.47) ; v1(3031.5,2194.88) 3041.34,2194.88 3070.87,2224.41 ; v1(3031.5,2312.99) CT06.1@3072.05,2312.99 ; X1.6@3396.46,5029.53 v1(3435.04,5029.53) ; v1(3602.36,4301.18) CT01.1@3652.76,4301.18 ; v1(3602.36,4389.76) 3641.73,4389.76 ; 3927.17,4389.76 v1(3996.06,4389.76) ; CT02.1@3944.88,4301.18 v1(3996.06,4301.18)
  Top Layer w15: C14.1@236.22,3151.64 236.22,3198.82 ; C312.1@1161.42,2452.76 1161.42,2431.1 v1(1181.1,2411.42) ; C302.1@1161.42,2925.2 1161.42,2898.62 1176.18,2883.86 v1(1181.1,2883.86) ; C332.1@2320.87,1840.55 C332.1@2325.79,1835.63 ; v1(3129.92,2805.12) 3129.92,2769.68 C134.1@3131.89,2767.72 ; C132.1@3133.86,3550.39 3134.65,3551.18 v1(3179.13,3551.18) ; C141.1@3133.86,3617.32 3138.58,3622.05 v1(3179.13,3622.05) ; C18.1@3692.91,3151.64 v1@3692.91,3207.09
  Top Layer w30: v1(226.38,3287.4) 226.38,3345.67 U14.2@227.17,3346.46 ; R05.1@3157.48,415.35 3269.68,415.35 v1(3287.4,433.07) ; v1(3375.98,433.07) 3471.64,433.07 U20.2@3472.44,433.87 ; v1@3377.55,424.42 3385.01,431.89 U20.2@3474.41,431.89 ; U21.2@3688.58,3346.46 3688.58,3289.76 v1(3690.94,3287.4) ; v1@3707.09,4649.2 3716.54,4658.65 U13.2@3716.54,4742.01 U13.2@3716.54,4744.09
  Bottom Layer w8: v1@1496.08,2214.57 U1.AJ3@1515.75,2234.25 ; v1(1496.06,2372.05) U1.AJ7@1515.75,2391.73 ; v1(1496.07,2765.75) U1.AJ16@1515.75,2746.06 ; v1(1496.08,3198.81) U1.AJ27@1515.75,3179.13 ; v1(1535.44,3120.06) U1.AH25@1555.12,3100.39 ; v1(1535.45,3277.54) U1.AH29@1555.12,3257.87 ; v1(1574.81,2175.2) U1.AG2@1594.49,2194.88 ; v1(1574.81,2450.78) U1.AG9@1594.49,2470.47 ; v1(1574.81,3041.33) U1.AG23@1594.49,3021.65 ; v1(1614.18,2411.41) U1.AF8@1633.86,2431.1 ; v1(1653.56,2765.75) U1.AE16@1673.23,2746.06 ; v1(1692.91,2293.31) U1.AD5@1712.6,2312.99 ; v1(1692.93,2608.26) U1.AD13@1712.6,2627.95 ; v1(1692.93,2962.6) U1.AD21@1712.6,2942.91 ; v1(1692.93,3041.33) U1.AD23@1712.6,3021.65 ; v1(1692.93,3277.54) U1.AD29@1712.6,3257.87 ; v1(1732.3,2175.2) U1.AC2@1751.98,2194.88 ; v1(1732.29,2372.04) U1.AC7@1751.98,2391.73 ; v1(1732.29,2490.14) U1.AC10@1751.98,2509.83 ; v1(1732.29,2844.48) U1.AC18@1751.98,2824.79 ; v1(1732.29,3159.45) U1.AC26@1751.98,3139.76 ; v1(1771.66,3080.7) U1.AB24@1791.34,3061.01 ; v1(1811.03,2411.41) U1.AA8@1830.71,2431.1 ; v1(1811.03,2568.89) U1.AA12@1830.71,2588.58 ; v1(1811.03,2765.75) U1.AA16@1830.71,2746.06 ; v1(1811.03,2923.19) U1.AA20@1830.71,2903.51 ; v1(1811.03,3041.33) U1.AA23@1830.71,3021.65 ; v1(1850.39,2844.48) U1.Y18@1870.08,2824.8 ; v1(1850.39,2293.31) U1.Y5@1870.08,2312.99 ; v1(1850.39,2490.16) U1.Y10@1870.08,2509.84 ; v1(1850.4,3277.54) U1.Y29@1870.08,3257.87 ; v1@1889.78,2175.2 U1.W2@1909.45,2194.88 ; v1(1889.78,2608.26) U1.W13@1909.45,2627.95 ; v1(1889.78,2686.99) U1.W15@1909.45,2706.69 ; v1(1889.78,2805.11) U1.W17@1909.45,2785.43 ; v1(1889.78,3041.33) U1.W23@1909.45,3021.65 ; v1(1889.78,3159.45) U1.W26@1909.45,3139.76 ; v1(1929.14,2332.68) U1.V6@1948.82,2352.36 ; v1(1929.14,2962.6) U1.V21@1948.82,2942.91 ; v1(1929.14,3120.06) U1.V25@1948.82,3100.39 ; v1(1938.98,4788.39) 1983.27,4788.39 1994.09,4799.21 C84.1@1994.09,4822.83 ; v1(1968.5,2411.42) U1.U8@1988.19,2431.1 ; v1(1968.51,2490.14) U1.U10@1988.19,2509.84 ; v1(1968.51,3041.33) U1.U23@1988.19,3021.65 ; v1(2007.87,2293.31) U1.T5@2027.56,2312.99 ; v1(2007.88,2962.6) U1.T21@2027.56,2942.91 ; v1(2007.88,3277.54) U1.T29@2027.56,3257.87 ; U1.R2@2066.93,2194.88 v1(2086.61,2175.2) ; U1.R8@2066.93,2431.1 v1@2086.61,2411.42 ; U1.R10@2066.93,2509.84 v1(2086.63,2490.14) ; U1.R23@2066.93,3021.65 v1(2086.63,3041.33) ; U1.R26@2066.93,3139.76 v1(2086.63,3159.45) ; U1.P9@2106.3,2470.47 2106.31,2468.49 2124.02,2450.79 v1(2125.98,2450.79) ; U1.P21@2106.3,2942.91 v1(2125.99,2962.6) ; U1.N6@2145.68,2352.36 v1(2165.36,2332.68) ; U1.N23@2145.68,3021.64 v1(2165.36,3041.33) ; U1.M8@2185.04,2431.1 v1(2204.72,2411.42) ; U1.M11@2185.04,2549.21 v1(2204.73,2529.53) ; U1.M14@2185.04,2667.31 v1(2204.73,2647.63) ; U1.M17@2185.04,2785.43 v1(2204.73,2805.11) ; U1.M21@2185.04,2942.91 v1(2204.73,2962.6) ; U1.M25@2185.04,3100.39 v1(2204.73,3120.06) ; U1.M29@2185.04,3257.87 v1(2204.72,3277.56) ; U1.M5@2185.04,2312.99 v1(2204.72,2293.31) ; U1.L2@2224.41,2194.88 v1(2244.09,2175.2) ; U1.L9@2224.41,2470.47 v1(2244.09,2450.78) ; U1.L15@2224.41,2706.69 v1(2244.09,2686.99) ; U1.L22@2224.41,2982.28 v1(2244.09,3001.96) ; U1.L26@2224.41,3139.76 v1(2244.09,3159.45) ; U1.K6@2263.78,2352.36 v1(2283.46,2332.68) ; U1.K13@2263.78,2627.95 v1(2283.48,2608.26) ; U1.K24@2263.79,3061.01 2263.79,3063.01 v1@2281.5,3080.71 ; U1.J7@2303.15,2391.73 v1(2322.84,2372.04) ; U1.J9@2303.15,2470.47 v1(2322.84,2450.78) ; U1.J15@2303.15,2706.69 v1(2322.84,2686.99) ; U1.J17@2303.15,2785.43 v1(2322.84,2805.11) ; U1.J23@2303.15,3021.65 v1(2322.84,3041.33) ; U1.J25@2303.15,3100.39 v1(2322.83,3120.08) ; U1.H5@2342.52,2312.99 v1(2362.2,2293.31) ; U1.H10@2342.52,2509.84 v1(2362.21,2490.14) ; U1.H20@2342.53,2903.51 v1(2362.2,2923.19) ; U1.H24@2342.53,3061.01 v1(2362.21,3080.7) ; U1.H29@2342.52,3257.87 v1(2362.2,3277.56) ; U1.G2@2381.89,2194.88 v1(2401.57,2175.2) ; U1.G6@2381.89,2352.36 v1(2401.58,2332.68) ; U1.G8@2381.89,2431.1 v1(2401.58,2411.41) ; U1.G13@2381.89,2627.95 v1(2401.58,2608.26) ; U1.G23@2381.89,3021.65 v1(2401.58,3041.33) ; U1.G26@2381.89,3139.76 v1(2401.57,3159.45) ; U1.F16@2421.26,2746.06 v1(2440.94,2765.75) ; U1.D9@2500,2470.47 v1(2519.69,2450.78) ; U1.D23@2500,3021.65 v1(2519.69,3041.33) ; U1.D29@2500,3257.87 v1(2519.68,3277.55) ; U1.C2@2539.38,2194.88 v1(2559.06,2175.2) ; U1.C7@2539.38,2391.73 v1(2559.06,2372.04) ; U1.C25@2539.38,3100.38 v1(2559.06,3120.06) ; U1.B4@2578.74,2273.61 v1(2598.43,2253.93) ; U1.B16@2578.74,2746.06 v1(2598.43,2765.75) ; U1.B28@2578.74,3218.5 v1(2598.42,3238.19) ; C93.1@3472.44,5033.46 C92.1@3472.44,5096.46
  Bottom Layer w10: v1(68.9,4862.2) 137.01,4862.2 C65.1@141.73,4857.48 ; v1(196.85,4714.57) 212.6,4714.57 C50.1@232.28,4734.25 ; v1(196.85,5037.4) 196.85,5019.69 203.54,5012.99 C41.1@232.28,5012.99 C41.1@232.28,5009.84 ; v1@383.86,4842.52 385.83,4844.49 U5.3@385.83,4911.42 ; C82.1@450.51,4783.46 v1(472.44,4783.46) U6.5@519.69,4783.46 525.33,4783.46 U6.5@527.3,4781.5 ; v1(667.32,4998.03) 678.34,5009.06 C81.1@704.72,5009.06 ; R30.1@704.72,5135.84 v1@742.11,5135.84 ; C42.1@803.15,4809.06 C42.1@803.15,4812.2 803.15,4820.87 v1@842.52,4820.87 ; C43.1@803.15,5005.91 803.15,4994.09 v1@838.58,4994.09 ; C44.1@803.15,5135.84 803.15,5123.82 834.84,5123.82 v1@842.52,5116.14 ; C71.1@1047.24,4857.48 1047.24,4883.86 ; v1(1102.36,4704.72) 1114.17,4716.54 C70.1@1133.86,4716.54 ; v1@1102.36,5019.69 1109.05,5012.99 C61.1@1133.86,5012.99 ; C80.1@1240.16,4915.35 1240.16,4942.13 1252.76,4954.72 v1(1279.53,4954.72) U4.16@1332.69,4954.72 ; R34.1@1255.91,5116.14 R34.1@1259.84,5116.14 v1(1299.21,5116.14) ; U4.9@1332.69,4775.59 1413.39,4775.59 1411.42,4773.62 v1(1407.48,4773.62) ; U4.10@1332.69,4801.19 1401.59,4801.19 v1@1403.55,4799.22 ; R33.1@1440.94,5116.14 1624.02,5116.14 v1(1625.98,5118.11) ; v1(1486.22,4970.47) 1505.91,4970.47 1521.65,4954.72 U4.1@1562.99,4954.72 ; U4.7@1563,4801.18 1566.66,4804.83 1614.17,4804.83 v1(1614.17,4803.15) ; C62.1@1708.66,4809.06 C62.1@1708.66,4812.2 1708.66,4820.87 v1@1748.03,4820.87 ; C63.1@1708.66,5009.06 1733.07,5009.06 v1(1751.97,4990.16) ; C64.1@1708.66,5138.99 1731.51,5116.14 v1(1751.97,5116.14) ; v1@1748.03,5181.1 v1(1751.97,5181.1) ; C51.1@1818.9,4857.48 1818.9,4919.29 1840.55,4940.94 v1@1877.95,4940.94 ; U19.2@1994.09,3457.68 2044.29,3457.68 2047.24,3460.63 2047.24,3474.41 2067.91,3495.08 U19.4@2096.46,3495.08 ; v1(2460.63,4832.68) v1@2462.6,4834.65 ; R44.1@2885.83,4706.69 v1(2933.07,4706.69) 2944.88,4718.5 C83.1@2972.44,4718.5 ; v1(3070.87,5064.96) 3084.65,5051.18 C28.1@3112.2,5051.18 ; v1@3248.03,5196.85 3250,5194.88 R1.1@3312.99,5194.88 ; C91.1@3370.08,4972.44 3413.39,4972.44 v1(3415.35,4970.47) ; v1(3375.98,433.07) v1@3381.1,427.95 ; C90.1@3383.86,5059.06 3389.76,5064.96 3425.2,5029.53 v1(3435.04,5029.53) 3468.5,5029.53 C93.1@3472.44,5033.46
  Bottom Layer w12: v1(1751.97,5181.1) 1806.1,5181.1 1818.9,5168.31 C45.1@1818.9,5140.94 ; v1(2460.63,4832.68) 2470.47,4822.83 R26.1@2513.78,4822.83 ; R20.1@2564.96,5206.69 2564.96,5217.17 2582.05,5234.25 v1(2618.11,5234.25) 2665.35,5234.25 C33.1@2692.91,5206.69
  Bottom Layer w14: v1(975.2,4940.94) 1034.65,4940.94 1047.24,4928.35 1047.24,4883.86 ; C34.1@2301.18,4734.25 2342.52,4734.25 v1(2352.36,4744.09)
  Bottom Layer w20: v1@3381.1,427.95 C03.1@3444.88,427.95 ; 3730.32,4655.51 C05.1@3730.32,4726.38
  other v1: 3287.4,393.7 3375.98,393.7 3326.77,413.39 1889.76,2175.2 1496.06,2214.57 2283.46,3080.71 206.69,3248.03 3661.42,3248.03 187.01,3287.4 3710.63,4547.24 3730.32,4596.46 3710.63,4645.67 3750,4645.67 1407.48,4803.15 381.89,4847.24 1879.92,4940.94 748.03,5135.83 3248.03,5194.88
  other v2: 246.06,5255.91
+3.3V/2: C21.1 R20.2 R21.1 U15.1 | length 653.9
  Top Layer w8: v1(2185.04,5216.54) 2195.87,5205.71 U15.1@2268.7,5205.71
  Mid-Layer 5 w15: v1(2185.04,5216.54) 2185.04,5236.22 2217.32,5268.5 2453.54,5268.5 v1(2460.63,5275.59)
  Bottom Layer w12: v1(2185.04,5216.54) 2194.88,5206.69 C21.1@2259.84,5206.69 ; R21.1@2513.78,5147.64 R20.2@2513.78,5206.69
  Bottom Layer w14: v1(2460.63,5275.59) 2460.63,5216.54 2470.47,5206.69 R20.2@2513.78,5206.69
+V_SFP: C100.1 C101.1 C110.1 C111.1 CT07.1 L3.2 L4.2 R04.1 R05.2 | length 406.9
  Top Layer w10: v1(3031.5,147.64) 3041.34,137.8 C111.1@3067.9,137.8 ; v1(3031.5,580.71) 3041.34,590.55 C101.1@3067.9,590.55
  Top Layer w14: v1(2866.14,175.2) CT07.1@2866.14,232.17 ; v1(2917.32,175.2) CT07.1@2917.32,234.69
  Top Layer w15: v1(3031.5,216.54) 3078.74,216.54 C110.1@3080.71,214.57 ; v1(3031.5,521.65) 3078.74,521.65 C100.1@3082.68,517.72 ; R05.2@3080.71,415.35 R05.2@3082.68,415.35
  Top Layer w20: v1@3028.35,312.99 R04.1@3080.71,312.99 ; v1@3028.35,415.35 R05.2@3080.71,415.35
  other v1: 3021.65,314.96 3021.65,344.49 3021.65,383.86 3021.65,413.39